# Allegro board LED_FIN.brd (continued)
## Nets (continued)
ROW_OUT_C11: D9901.3(ANODE) D9902.3(ANODE) D9903.3(ANODE) D9904.3(ANODE) D9905.3(ANODE) D9906.3(ANODE) D9907.3(ANODE) D9908.3(ANODE) D9909.3(ANODE) D9910.3(ANODE) D9911.3(ANODE) D9912.3(ANODE) D9913.3(ANODE) D9914.3(ANODE) D9915.3(ANODE) D9916.3(ANODE) D9917.3(ANODE) D9918.3(ANODE) D9919.3(ANODE) D9920.3(ANODE) D9921.3(ANODE) D9922.3(ANODE) D9923.3(ANODE) D9924.3(ANODE) D9925.3(ANODE) D9926.3(ANODE) D9927.3(ANODE) D9928.3(ANODE) D9929.3(ANODE) D9930.3(ANODE) D11041.3(ANODE) D11042.3(ANODE) D11043.3(ANODE) D11044.3(ANODE) D11045.3(ANODE) D11046.3(ANODE) D11047.3(ANODE) D11048.3(ANODE) D11049.3(ANODE) D11050.3(ANODE) D11051.3(ANODE) D11052.3(ANODE) D11053.3(ANODE) D11054.3(ANODE) D11055.3(ANODE) D11056.3(ANODE) D11057.3(ANODE) D11058.3(ANODE) D11059.3(ANODE) D11060.3(ANODE) D11061.3(ANODE) D11062.3(ANODE) D11063.3(ANODE) D11064.3(ANODE) D11065.3(ANODE) D11066.3(ANODE) D11067.3(ANODE) D11068.3(ANODE) D11069.3(ANODE) D11070.3(ANODE) D12181.3(ANODE) D12182.3(ANODE) D12183.3(ANODE) D12184.3(ANODE) D12185.3(ANODE) D12186.3(ANODE) D12187.3(ANODE) D12188.3(ANODE) D12189.3(ANODE) D12190.3(ANODE) D12191.3(ANODE) D12192.3(ANODE) D12193.3(ANODE) D12194.3(ANODE) D12195.3(ANODE) D12196.3(ANODE) D12197.3(ANODE) D12198.3(ANODE) D12199.3(ANODE) D12200.3(ANODE) D12201.3(ANODE) D12202.3(ANODE) D12203.3(ANODE) D12204.3(ANODE) D12205.3(ANODE) D12206.3(ANODE) D12207.3(ANODE) D12208.3(ANODE) D12209.3(ANODE) D12210.3(ANODE) D13321.3(ANODE) D13322.3(ANODE) D13323.3(ANODE) D13324.3(ANODE) D13325.3(ANODE) D13326.3(ANODE) D13327.3(ANODE) D13328.3(ANODE) D13329.3(ANODE) D13330.3(ANODE) D13331.3(ANODE) D13332.3(ANODE) D13333.3(ANODE) D13334.3(ANODE) D13335.3(ANODE) D13336.3(ANODE) D13337.3(ANODE) D13338.3(ANODE) D13339.3(ANODE) D13340.3(ANODE) D13341.3(ANODE) D13342.3(ANODE) D13343.3(ANODE) D13344.3(ANODE) D13345.3(ANODE) D13346.3(ANODE) D13347.3(ANODE) D13348.3(ANODE) D13349.3(ANODE) D13350.3(ANODE) U113.1(DRAIN)
ROW_OUT_C12: D9871.3(ANODE) D9872.3(ANODE) D9873.3(ANODE) D9874.3(ANODE) D9875.3(ANODE) D9876.3(ANODE) D9877.3(ANODE) D9878.3(ANODE) D9879.3(ANODE) D9880.3(ANODE) D9881.3(ANODE) D9882.3(ANODE) D9883.3(ANODE) D9884.3(ANODE) D9885.3(ANODE) D9886.3(ANODE) D9887.3(ANODE) D9888.3(ANODE) D9889.3(ANODE) D9890.3(ANODE) D9891.3(ANODE) D9892.3(ANODE) D9893.3(ANODE) D9894.3(ANODE) D9895.3(ANODE) D9896.3(ANODE) D9897.3(ANODE) D9898.3(ANODE) D9899.3(ANODE) D9900.3(ANODE) D11011.3(ANODE) D11012.3(ANODE) D11013.3(ANODE) D11014.3(ANODE) D11015.3(ANODE) D11016.3(ANODE) D11017.3(ANODE) D11018.3(ANODE) D11019.3(ANODE) D11020.3(ANODE) D11021.3(ANODE) D11022.3(ANODE) D11023.3(ANODE) D11024.3(ANODE) D11025.3(ANODE) D11026.3(ANODE) D11027.3(ANODE) D11028.3(ANODE) D11029.3(ANODE) D11030.3(ANODE) D11031.3(ANODE) D11032.3(ANODE) D11033.3(ANODE) D11034.3(ANODE) D11035.3(ANODE) D11036.3(ANODE) D11037.3(ANODE) D11038.3(ANODE) D11039.3(ANODE) D11040.3(ANODE) D12151.3(ANODE) D12152.3(ANODE) D12153.3(ANODE) D12154.3(ANODE) D12155.3(ANODE) D12156.3(ANODE) D12157.3(ANODE) D12158.3(ANODE) D12159.3(ANODE) D12160.3(ANODE) D12161.3(ANODE) D12162.3(ANODE) D12163.3(ANODE) D12164.3(ANODE) D12165.3(ANODE) D12166.3(ANODE) D12167.3(ANODE) D12168.3(ANODE) D12169.3(ANODE) D12170.3(ANODE) D12171.3(ANODE) D12172.3(ANODE) D12173.3(ANODE) D12174.3(ANODE) D12175.3(ANODE) D12176.3(ANODE) D12177.3(ANODE) D12178.3(ANODE) D12179.3(ANODE) D12180.3(ANODE) D13291.3(ANODE) D13292.3(ANODE) D13293.3(ANODE) D13294.3(ANODE) D13295.3(ANODE) D13296.3(ANODE) D13297.3(ANODE) D13298.3(ANODE) D13299.3(ANODE) D13300.3(ANODE) D13301.3(ANODE) D13302.3(ANODE) D13303.3(ANODE) D13304.3(ANODE) D13305.3(ANODE) D13306.3(ANODE) D13307.3(ANODE) D13308.3(ANODE) D13309.3(ANODE) D13310.3(ANODE) D13311.3(ANODE) D13312.3(ANODE) D13313.3(ANODE) D13314.3(ANODE) D13315.3(ANODE) D13316.3(ANODE) D13317.3(ANODE) D13318.3(ANODE) D13319.3(ANODE) D13320.3(ANODE) U112.1(DRAIN)
ROW_OUT_C13: D9841.3(ANODE) D9842.3(ANODE) D9843.3(ANODE) D9844.3(ANODE) D9845.3(ANODE) D9846.3(ANODE) D9847.3(ANODE) D9848.3(ANODE) D9849.3(ANODE) D9850.3(ANODE) D9851.3(ANODE) D9852.3(ANODE) D9853.3(ANODE) D9854.3(ANODE) D9855.3(ANODE) D9856.3(ANODE) D9857.3(ANODE) D9858.3(ANODE) D9859.3(ANODE) D9860.3(ANODE) D9861.3(ANODE) D9862.3(ANODE) D9863.3(ANODE) D9864.3(ANODE) D9865.3(ANODE) D9866.3(ANODE) D9867.3(ANODE) D9868.3(ANODE) D9869.3(ANODE) D9870.3(ANODE) D10981.3(ANODE) D10982.3(ANODE) D10983.3(ANODE) D10984.3(ANODE) D10985.3(ANODE) D10986.3(ANODE) D10987.3(ANODE) D10988.3(ANODE) D10989.3(ANODE) D10990.3(ANODE) D10991.3(ANODE) D10992.3(ANODE) D10993.3(ANODE) D10994.3(ANODE) D10995.3(ANODE) D10996.3(ANODE) D10997.3(ANODE) D10998.3(ANODE) D10999.3(ANODE) D11000.3(ANODE) D11001.3(ANODE) D11002.3(ANODE) D11003.3(ANODE) D11004.3(ANODE) D11005.3(ANODE) D11006.3(ANODE) D11007.3(ANODE) D11008.3(ANODE) D11009.3(ANODE) D11010.3(ANODE) D12121.3(ANODE) D12122.3(ANODE) D12123.3(ANODE) D12124.3(ANODE) D12125.3(ANODE) D12126.3(ANODE) D12127.3(ANODE) D12128.3(ANODE) D12129.3(ANODE) D12130.3(ANODE) D12131.3(ANODE) D12132.3(ANODE) D12133.3(ANODE) D12134.3(ANODE) D12135.3(ANODE) D12136.3(ANODE) D12137.3(ANODE) D12138.3(ANODE) D12139.3(ANODE) D12140.3(ANODE) D12141.3(ANODE) D12142.3(ANODE) D12143.3(ANODE) D12144.3(ANODE) D12145.3(ANODE) D12146.3(ANODE) D12147.3(ANODE) D12148.3(ANODE) D12149.3(ANODE) D12150.3(ANODE) D13261.3(ANODE) D13262.3(ANODE) D13263.3(ANODE) D13264.3(ANODE) D13265.3(ANODE) D13266.3(ANODE) D13267.3(ANODE) D13268.3(ANODE) D13269.3(ANODE) D13270.3(ANODE) D13271.3(ANODE) D13272.3(ANODE) D13273.3(ANODE) D13274.3(ANODE) D13275.3(ANODE) D13276.3(ANODE) D13277.3(ANODE) D13278.3(ANODE) D13279.3(ANODE) D13280.3(ANODE) D13281.3(ANODE) D13282.3(ANODE) D13283.3(ANODE) D13284.3(ANODE) D13285.3(ANODE) D13286.3(ANODE) D13287.3(ANODE) D13288.3(ANODE) D13289.3(ANODE) D13290.3(ANODE) U111.1(DRAIN)
ROW_OUT_C14: D9811.3(ANODE) D9812.3(ANODE) D9813.3(ANODE) D9814.3(ANODE) D9815.3(ANODE) D9816.3(ANODE) D9817.3(ANODE) D9818.3(ANODE) D9819.3(ANODE) D9820.3(ANODE) D9821.3(ANODE) D9822.3(ANODE) D9823.3(ANODE) D9824.3(ANODE) D9825.3(ANODE) D9826.3(ANODE) D9827.3(ANODE) D9828.3(ANODE) D9829.3(ANODE) D9830.3(ANODE) D9831.3(ANODE) D9832.3(ANODE) D9833.3(ANODE) D9834.3(ANODE) D9835.3(ANODE) D9836.3(ANODE) D9837.3(ANODE) D9838.3(ANODE) D9839.3(ANODE) D9840.3(ANODE) D10951.3(ANODE) D10952.3(ANODE) D10953.3(ANODE) D10954.3(ANODE) D10955.3(ANODE) D10956.3(ANODE) D10957.3(ANODE) D10958.3(ANODE) D10959.3(ANODE) D10960.3(ANODE) D10961.3(ANODE) D10962.3(ANODE) D10963.3(ANODE) D10964.3(ANODE) D10965.3(ANODE) D10966.3(ANODE) D10967.3(ANODE) D10968.3(ANODE) D10969.3(ANODE) D10970.3(ANODE) D10971.3(ANODE) D10972.3(ANODE) D10973.3(ANODE) D10974.3(ANODE) D10975.3(ANODE) D10976.3(ANODE) D10977.3(ANODE) D10978.3(ANODE) D10979.3(ANODE) D10980.3(ANODE) D12091.3(ANODE) D12092.3(ANODE) D12093.3(ANODE) D12094.3(ANODE) D12095.3(ANODE) D12096.3(ANODE) D12097.3(ANODE) D12098.3(ANODE) D12099.3(ANODE) D12100.3(ANODE) D12101.3(ANODE) D12102.3(ANODE) D12103.3(ANODE) D12104.3(ANODE) D12105.3(ANODE) D12106.3(ANODE) D12107.3(ANODE) D12108.3(ANODE) D12109.3(ANODE) D12110.3(ANODE) D12111.3(ANODE) D12112.3(ANODE) D12113.3(ANODE) D12114.3(ANODE) D12115.3(ANODE) D12116.3(ANODE) D12117.3(ANODE) D12118.3(ANODE) D12119.3(ANODE) D12120.3(ANODE) D13231.3(ANODE) D13232.3(ANODE) D13233.3(ANODE) D13234.3(ANODE) D13235.3(ANODE) D13236.3(ANODE) D13237.3(ANODE) D13238.3(ANODE) D13239.3(ANODE) D13240.3(ANODE) D13241.3(ANODE) D13242.3(ANODE) D13243.3(ANODE) D13244.3(ANODE) D13245.3(ANODE) D13246.3(ANODE) D13247.3(ANODE) D13248.3(ANODE) D13249.3(ANODE) D13250.3(ANODE) D13251.3(ANODE) D13252.3(ANODE) D13253.3(ANODE) D13254.3(ANODE) D13255.3(ANODE) D13256.3(ANODE) D13257.3(ANODE) D13258.3(ANODE) D13259.3(ANODE) D13260.3(ANODE) U110.1(DRAIN)
ROW_OUT_C15: D9781.3(ANODE) D9782.3(ANODE) D9783.3(ANODE) D9784.3(ANODE) D9785.3(ANODE) D9786.3(ANODE) D9787.3(ANODE) D9788.3(ANODE) D9789.3(ANODE) D9790.3(ANODE) D9791.3(ANODE) D9792.3(ANODE) D9793.3(ANODE) D9794.3(ANODE) D9795.3(ANODE) D9796.3(ANODE) D9797.3(ANODE) D9798.3(ANODE) D9799.3(ANODE) D9800.3(ANODE) D9801.3(ANODE) D9802.3(ANODE) D9803.3(ANODE) D9804.3(ANODE) D9805.3(ANODE) D9806.3(ANODE) D9807.3(ANODE) D9808.3(ANODE) D9809.3(ANODE) D9810.3(ANODE) D10921.3(ANODE) D10922.3(ANODE) D10923.3(ANODE) D10924.3(ANODE) D10925.3(ANODE) D10926.3(ANODE) D10927.3(ANODE) D10928.3(ANODE) D10929.3(ANODE) D10930.3(ANODE) D10931.3(ANODE) D10932.3(ANODE) D10933.3(ANODE) D10934.3(ANODE) D10935.3(ANODE) D10936.3(ANODE) D10937.3(ANODE) D10938.3(ANODE) D10939.3(ANODE) D10940.3(ANODE) D10941.3(ANODE) D10942.3(ANODE) D10943.3(ANODE) D10944.3(ANODE) D10945.3(ANODE) D10946.3(ANODE) D10947.3(ANODE) D10948.3(ANODE) D10949.3(ANODE) D10950.3(ANODE) D12061.3(ANODE) D12062.3(ANODE) D12063.3(ANODE) D12064.3(ANODE) D12065.3(ANODE) D12066.3(ANODE) D12067.3(ANODE) D12068.3(ANODE) D12069.3(ANODE) D12070.3(ANODE) D12071.3(ANODE) D12072.3(ANODE) D12073.3(ANODE) D12074.3(ANODE) D12075.3(ANODE) D12076.3(ANODE) D12077.3(ANODE) D12078.3(ANODE) D12079.3(ANODE) D12080.3(ANODE) D12081.3(ANODE) D12082.3(ANODE) D12083.3(ANODE) D12084.3(ANODE) D12085.3(ANODE) D12086.3(ANODE) D12087.3(ANODE) D12088.3(ANODE) D12089.3(ANODE) D12090.3(ANODE) D13201.3(ANODE) D13202.3(ANODE) D13203.3(ANODE) D13204.3(ANODE) D13205.3(ANODE) D13206.3(ANODE) D13207.3(ANODE) D13208.3(ANODE) D13209.3(ANODE) D13210.3(ANODE) D13211.3(ANODE) D13212.3(ANODE) D13213.3(ANODE) D13214.3(ANODE) D13215.3(ANODE) D13216.3(ANODE) D13217.3(ANODE) D13218.3(ANODE) D13219.3(ANODE) D13220.3(ANODE) D13221.3(ANODE) D13222.3(ANODE) D13223.3(ANODE) D13224.3(ANODE) D13225.3(ANODE) D13226.3(ANODE) D13227.3(ANODE) D13228.3(ANODE) D13229.3(ANODE) D13230.3(ANODE) U109.1(DRAIN)
ROW_OUT_C16: D9751.3(ANODE) D9752.3(ANODE) D9753.3(ANODE) D9754.3(ANODE) D9755.3(ANODE) D9756.3(ANODE) D9757.3(ANODE) D9758.3(ANODE) D9759.3(ANODE) D9760.3(ANODE) D9761.3(ANODE) D9762.3(ANODE) D9763.3(ANODE) D9764.3(ANODE) D9765.3(ANODE) D9766.3(ANODE) D9767.3(ANODE) D9768.3(ANODE) D9769.3(ANODE) D9770.3(ANODE) D9771.3(ANODE) D9772.3(ANODE) D9773.3(ANODE) D9774.3(ANODE) D9775.3(ANODE) D9776.3(ANODE) D9777.3(ANODE) D9778.3(ANODE) D9779.3(ANODE) D9780.3(ANODE) D10891.3(ANODE) D10892.3(ANODE) D10893.3(ANODE) D10894.3(ANODE) D10895.3(ANODE) D10896.3(ANODE) D10897.3(ANODE) D10898.3(ANODE) D10899.3(ANODE) D10900.3(ANODE) D10901.3(ANODE) D10902.3(ANODE) D10903.3(ANODE) D10904.3(ANODE) D10905.3(ANODE) D10906.3(ANODE) D10907.3(ANODE) D10908.3(ANODE) D10909.3(ANODE) D10910.3(ANODE) D10911.3(ANODE) D10912.3(ANODE) D10913.3(ANODE) D10914.3(ANODE) D10915.3(ANODE) D10916.3(ANODE) D10917.3(ANODE) D10918.3(ANODE) D10919.3(ANODE) D10920.3(ANODE) D12031.3(ANODE) D12032.3(ANODE) D12033.3(ANODE) D12034.3(ANODE) D12035.3(ANODE) D12036.3(ANODE) D12037.3(ANODE) D12038.3(ANODE) D12039.3(ANODE) D12040.3(ANODE) D12041.3(ANODE) D12042.3(ANODE) D12043.3(ANODE) D12044.3(ANODE) D12045.3(ANODE) D12046.3(ANODE) D12047.3(ANODE) D12048.3(ANODE) D12049.3(ANODE) D12050.3(ANODE) D12051.3(ANODE) D12052.3(ANODE) D12053.3(ANODE) D12054.3(ANODE) D12055.3(ANODE) D12056.3(ANODE) D12057.3(ANODE) D12058.3(ANODE) D12059.3(ANODE) D12060.3(ANODE) D13171.3(ANODE) D13172.3(ANODE) D13173.3(ANODE) D13174.3(ANODE) D13175.3(ANODE) D13176.3(ANODE) D13177.3(ANODE) D13178.3(ANODE) D13179.3(ANODE) D13180.3(ANODE) D13181.3(ANODE) D13182.3(ANODE) D13183.3(ANODE) D13184.3(ANODE) D13185.3(ANODE) D13186.3(ANODE) D13187.3(ANODE) D13188.3(ANODE) D13189.3(ANODE) D13190.3(ANODE) D13191.3(ANODE) D13192.3(ANODE) D13193.3(ANODE) D13194.3(ANODE) D13195.3(ANODE) D13196.3(ANODE) D13197.3(ANODE) D13198.3(ANODE) D13199.3(ANODE) D13200.3(ANODE) U108.1(DRAIN)
ROW_OUT_C17: D9721.3(ANODE) D9722.3(ANODE) D9723.3(ANODE) D9724.3(ANODE) D9725.3(ANODE) D9726.3(ANODE) D9727.3(ANODE) D9728.3(ANODE) D9729.3(ANODE) D9730.3(ANODE) D9731.3(ANODE) D9732.3(ANODE) D9733.3(ANODE) D9734.3(ANODE) D9735.3(ANODE) D9736.3(ANODE) D9737.3(ANODE) D9738.3(ANODE) D9739.3(ANODE) D9740.3(ANODE) D9741.3(ANODE) D9742.3(ANODE) D9743.3(ANODE) D9744.3(ANODE) D9745.3(ANODE) D9746.3(ANODE) D9747.3(ANODE) D9748.3(ANODE) D9749.3(ANODE) D9750.3(ANODE) D10861.3(ANODE) D10862.3(ANODE) D10863.3(ANODE) D10864.3(ANODE) D10865.3(ANODE) D10866.3(ANODE) D10867.3(ANODE) D10868.3(ANODE) D10869.3(ANODE) D10870.3(ANODE) D10871.3(ANODE) D10872.3(ANODE) D10873.3(ANODE) D10874.3(ANODE) D10875.3(ANODE) D10876.3(ANODE) D10877.3(ANODE) D10878.3(ANODE) D10879.3(ANODE) D10880.3(ANODE) D10881.3(ANODE) D10882.3(ANODE) D10883.3(ANODE) D10884.3(ANODE) D10885.3(ANODE) D10886.3(ANODE) D10887.3(ANODE) D10888.3(ANODE) D10889.3(ANODE) D10890.3(ANODE) D12001.3(ANODE) D12002.3(ANODE) D12003.3(ANODE) D12004.3(ANODE) D12005.3(ANODE) D12006.3(ANODE) D12007.3(ANODE) D12008.3(ANODE) D12009.3(ANODE) D12010.3(ANODE) D12011.3(ANODE) D12012.3(ANODE) D12013.3(ANODE) D12014.3(ANODE) D12015.3(ANODE) D12016.3(ANODE) D12017.3(ANODE) D12018.3(ANODE) D12019.3(ANODE) D12020.3(ANODE) D12021.3(ANODE) D12022.3(ANODE) D12023.3(ANODE) D12024.3(ANODE) D12025.3(ANODE) D12026.3(ANODE) D12027.3(ANODE) D12028.3(ANODE) D12029.3(ANODE) D12030.3(ANODE) D13141.3(ANODE) D13142.3(ANODE) D13143.3(ANODE) D13144.3(ANODE) D13145.3(ANODE) D13146.3(ANODE) D13147.3(ANODE) D13148.3(ANODE) D13149.3(ANODE) D13150.3(ANODE) D13151.3(ANODE) D13152.3(ANODE) D13153.3(ANODE) D13154.3(ANODE) D13155.3(ANODE) D13156.3(ANODE) D13157.3(ANODE) D13158.3(ANODE) D13159.3(ANODE) D13160.3(ANODE) D13161.3(ANODE) D13162.3(ANODE) D13163.3(ANODE) D13164.3(ANODE) D13165.3(ANODE) D13166.3(ANODE) D13167.3(ANODE) D13168.3(ANODE) D13169.3(ANODE) D13170.3(ANODE) U107.1(DRAIN)
ROW_OUT_C18: D9691.3(ANODE) D9692.3(ANODE) D9693.3(ANODE) D9694.3(ANODE) D9695.3(ANODE) D9696.3(ANODE) D9697.3(ANODE) D9698.3(ANODE) D9699.3(ANODE) D9700.3(ANODE) D9701.3(ANODE) D9702.3(ANODE) D9703.3(ANODE) D9704.3(ANODE) D9705.3(ANODE) D9706.3(ANODE) D9707.3(ANODE) D9708.3(ANODE) D9709.3(ANODE) D9710.3(ANODE) D9711.3(ANODE) D9712.3(ANODE) D9713.3(ANODE) D9714.3(ANODE) D9715.3(ANODE) D9716.3(ANODE) D9717.3(ANODE) D9718.3(ANODE) D9719.3(ANODE) D9720.3(ANODE) D10831.3(ANODE) D10832.3(ANODE) D10833.3(ANODE) D10834.3(ANODE) D10835.3(ANODE) D10836.3(ANODE) D10837.3(ANODE) D10838.3(ANODE) D10839.3(ANODE) D10840.3(ANODE) D10841.3(ANODE) D10842.3(ANODE) D10843.3(ANODE) D10844.3(ANODE) D10845.3(ANODE) D10846.3(ANODE) D10847.3(ANODE) D10848.3(ANODE) D10849.3(ANODE) D10850.3(ANODE) D10851.3(ANODE) D10852.3(ANODE) D10853.3(ANODE) D10854.3(ANODE) D10855.3(ANODE) D10856.3(ANODE) D10857.3(ANODE) D10858.3(ANODE) D10859.3(ANODE) D10860.3(ANODE) D11971.3(ANODE) D11972.3(ANODE) D11973.3(ANODE) D11974.3(ANODE) D11975.3(ANODE) D11976.3(ANODE) D11977.3(ANODE) D11978.3(ANODE) D11979.3(ANODE) D11980.3(ANODE) D11981.3(ANODE) D11982.3(ANODE) D11983.3(ANODE) D11984.3(ANODE) D11985.3(ANODE) D11986.3(ANODE) D11987.3(ANODE) D11988.3(ANODE) D11989.3(ANODE) D11990.3(ANODE) D11991.3(ANODE) D11992.3(ANODE) D11993.3(ANODE) D11994.3(ANODE) D11995.3(ANODE) D11996.3(ANODE) D11997.3(ANODE) D11998.3(ANODE) D11999.3(ANODE) D12000.3(ANODE) D13111.3(ANODE) D13112.3(ANODE) D13113.3(ANODE) D13114.3(ANODE) D13115.3(ANODE) D13116.3(ANODE) D13117.3(ANODE) D13118.3(ANODE) D13119.3(ANODE) D13120.3(ANODE) D13121.3(ANODE) D13122.3(ANODE) D13123.3(ANODE) D13124.3(ANODE) D13125.3(ANODE) D13126.3(ANODE) D13127.3(ANODE) D13128.3(ANODE) D13129.3(ANODE) D13130.3(ANODE) D13131.3(ANODE) D13132.3(ANODE) D13133.3(ANODE) D13134.3(ANODE) D13135.3(ANODE) D13136.3(ANODE) D13137.3(ANODE) D13138.3(ANODE) D13139.3(ANODE) D13140.3(ANODE) U106.1(DRAIN)
ROW_OUT_C19: D9661.3(ANODE) D9662.3(ANODE) D9663.3(ANODE) D9664.3(ANODE) D9665.3(ANODE) D9666.3(ANODE) D9667.3(ANODE) D9668.3(ANODE) D9669.3(ANODE) D9670.3(ANODE) D9671.3(ANODE) D9672.3(ANODE) D9673.3(ANODE) D9674.3(ANODE) D9675.3(ANODE) D9676.3(ANODE) D9677.3(ANODE) D9678.3(ANODE) D9679.3(ANODE) D9680.3(ANODE) D9681.3(ANODE) D9682.3(ANODE) D9683.3(ANODE) D9684.3(ANODE) D9685.3(ANODE) D9686.3(ANODE) D9687.3(ANODE) D9688.3(ANODE) D9689.3(ANODE) D9690.3(ANODE) D10801.3(ANODE) D10802.3(ANODE) D10803.3(ANODE) D10804.3(ANODE) D10805.3(ANODE) D10806.3(ANODE) D10807.3(ANODE) D10808.3(ANODE) D10809.3(ANODE) D10810.3(ANODE) D10811.3(ANODE) D10812.3(ANODE) D10813.3(ANODE) D10814.3(ANODE) D10815.3(ANODE) D10816.3(ANODE) D10817.3(ANODE) D10818.3(ANODE) D10819.3(ANODE) D10820.3(ANODE) D10821.3(ANODE) D10822.3(ANODE) D10823.3(ANODE) D10824.3(ANODE) D10825.3(ANODE) D10826.3(ANODE) D10827.3(ANODE) D10828.3(ANODE) D10829.3(ANODE) D10830.3(ANODE) D11941.3(ANODE) D11942.3(ANODE) D11943.3(ANODE) D11944.3(ANODE) D11945.3(ANODE) D11946.3(ANODE) D11947.3(ANODE) D11948.3(ANODE) D11949.3(ANODE) D11950.3(ANODE) D11951.3(ANODE) D11952.3(ANODE) D11953.3(ANODE) D11954.3(ANODE) D11955.3(ANODE) D11956.3(ANODE) D11957.3(ANODE) D11958.3(ANODE) D11959.3(ANODE) D11960.3(ANODE) D11961.3(ANODE) D11962.3(ANODE) D11963.3(ANODE) D11964.3(ANODE) D11965.3(ANODE) D11966.3(ANODE) D11967.3(ANODE) D11968.3(ANODE) D11969.3(ANODE) D11970.3(ANODE) D13081.3(ANODE) D13082.3(ANODE) D13083.3(ANODE) D13084.3(ANODE) D13085.3(ANODE) D13086.3(ANODE) D13087.3(ANODE) D13088.3(ANODE) D13089.3(ANODE) D13090.3(ANODE) D13091.3(ANODE) D13092.3(ANODE) D13093.3(ANODE) D13094.3(ANODE) D13095.3(ANODE) D13096.3(ANODE) D13097.3(ANODE) D13098.3(ANODE) D13099.3(ANODE) D13100.3(ANODE) D13101.3(ANODE) D13102.3(ANODE) D13103.3(ANODE) D13104.3(ANODE) D13105.3(ANODE) D13106.3(ANODE) D13107.3(ANODE) D13108.3(ANODE) D13109.3(ANODE) D13110.3(ANODE) U105.1(DRAIN)
ROW_OUT_C20: D9631.3(ANODE) D9632.3(ANODE) D9633.3(ANODE) D9634.3(ANODE) D9635.3(ANODE) D9636.3(ANODE) D9637.3(ANODE) D9638.3(ANODE) D9639.3(ANODE) D9640.3(ANODE) D9641.3(ANODE) D9642.3(ANODE) D9643.3(ANODE) D9644.3(ANODE) D9645.3(ANODE) D9646.3(ANODE) D9647.3(ANODE) D9648.3(ANODE) D9649.3(ANODE) D9650.3(ANODE) D9651.3(ANODE) D9652.3(ANODE) D9653.3(ANODE) D9654.3(ANODE) D9655.3(ANODE) D9656.3(ANODE) D9657.3(ANODE) D9658.3(ANODE) D9659.3(ANODE) D9660.3(ANODE) D10771.3(ANODE) D10772.3(ANODE) D10773.3(ANODE) D10774.3(ANODE) D10775.3(ANODE) D10776.3(ANODE) D10777.3(ANODE) D10778.3(ANODE) D10779.3(ANODE) D10780.3(ANODE) D10781.3(ANODE) D10782.3(ANODE) D10783.3(ANODE) D10784.3(ANODE) D10785.3(ANODE) D10786.3(ANODE) D10787.3(ANODE) D10788.3(ANODE) D10789.3(ANODE) D10790.3(ANODE) D10791.3(ANODE) D10792.3(ANODE) D10793.3(ANODE) D10794.3(ANODE) D10795.3(ANODE) D10796.3(ANODE) D10797.3(ANODE) D10798.3(ANODE) D10799.3(ANODE) D10800.3(ANODE) D11911.3(ANODE) D11912.3(ANODE) D11913.3(ANODE) D11914.3(ANODE) D11915.3(ANODE) D11916.3(ANODE) D11917.3(ANODE) D11918.3(ANODE) D11919.3(ANODE) D11920.3(ANODE) D11921.3(ANODE) D11922.3(ANODE) D11923.3(ANODE) D11924.3(ANODE) D11925.3(ANODE) D11926.3(ANODE) D11927.3(ANODE) D11928.3(ANODE) D11929.3(ANODE) D11930.3(ANODE) D11931.3(ANODE) D11932.3(ANODE) D11933.3(ANODE) D11934.3(ANODE) D11935.3(ANODE) D11936.3(ANODE) D11937.3(ANODE) D11938.3(ANODE) D11939.3(ANODE) D11940.3(ANODE) D13051.3(ANODE) D13052.3(ANODE) D13053.3(ANODE) D13054.3(ANODE) D13055.3(ANODE) D13056.3(ANODE) D13057.3(ANODE) D13058.3(ANODE) D13059.3(ANODE) D13060.3(ANODE) D13061.3(ANODE) D13062.3(ANODE) D13063.3(ANODE) D13064.3(ANODE) D13065.3(ANODE) D13066.3(ANODE) D13067.3(ANODE) D13068.3(ANODE) D13069.3(ANODE) D13070.3(ANODE) D13071.3(ANODE) D13072.3(ANODE) D13073.3(ANODE) D13074.3(ANODE) D13075.3(ANODE) D13076.3(ANODE) D13077.3(ANODE) D13078.3(ANODE) D13079.3(ANODE) D13080.3(ANODE) U104.1(DRAIN)
ROW_OUT_C21: D9601.3(ANODE) D9602.3(ANODE) D9603.3(ANODE) D9604.3(ANODE) D9605.3(ANODE) D9606.3(ANODE) D9607.3(ANODE) D9608.3(ANODE) D9609.3(ANODE) D9610.3(ANODE) D9611.3(ANODE) D9612.3(ANODE) D9613.3(ANODE) D9614.3(ANODE) D9615.3(ANODE) D9616.3(ANODE) D9617.3(ANODE) D9618.3(ANODE) D9619.3(ANODE) D9620.3(ANODE) D9621.3(ANODE) D9622.3(ANODE) D9623.3(ANODE) D9624.3(ANODE) D9625.3(ANODE) D9626.3(ANODE) D9627.3(ANODE) D9628.3(ANODE) D9629.3(ANODE) D9630.3(ANODE) D10741.3(ANODE) D10742.3(ANODE) D10743.3(ANODE) D10744.3(ANODE) D10745.3(ANODE) D10746.3(ANODE) D10747.3(ANODE) D10748.3(ANODE) D10749.3(ANODE) D10750.3(ANODE) D10751.3(ANODE) D10752.3(ANODE) D10753.3(ANODE) D10754.3(ANODE) D10755.3(ANODE) D10756.3(ANODE) D10757.3(ANODE) D10758.3(ANODE) D10759.3(ANODE) D10760.3(ANODE) D10761.3(ANODE) D10762.3(ANODE) D10763.3(ANODE) D10764.3(ANODE) D10765.3(ANODE) D10766.3(ANODE) D10767.3(ANODE) D10768.3(ANODE) D10769.3(ANODE) D10770.3(ANODE) D11881.3(ANODE) D11882.3(ANODE) D11883.3(ANODE) D11884.3(ANODE) D11885.3(ANODE) D11886.3(ANODE) D11887.3(ANODE) D11888.3(ANODE) D11889.3(ANODE) D11890.3(ANODE) D11891.3(ANODE) D11892.3(ANODE) D11893.3(ANODE) D11894.3(ANODE) D11895.3(ANODE) D11896.3(ANODE) D11897.3(ANODE) D11898.3(ANODE) D11899.3(ANODE) D11900.3(ANODE) D11901.3(ANODE) D11902.3(ANODE) D11903.3(ANODE) D11904.3(ANODE) D11905.3(ANODE) D11906.3(ANODE) D11907.3(ANODE) D11908.3(ANODE) D11909.3(ANODE) D11910.3(ANODE) D13021.3(ANODE) D13022.3(ANODE) D13023.3(ANODE) D13024.3(ANODE) D13025.3(ANODE) D13026.3(ANODE) D13027.3(ANODE) D13028.3(ANODE) D13029.3(ANODE) D13030.3(ANODE) D13031.3(ANODE) D13032.3(ANODE) D13033.3(ANODE) D13034.3(ANODE) D13035.3(ANODE) D13036.3(ANODE) D13037.3(ANODE) D13038.3(ANODE) D13039.3(ANODE) D13040.3(ANODE) D13041.3(ANODE) D13042.3(ANODE) D13043.3(ANODE) D13044.3(ANODE) D13045.3(ANODE) D13046.3(ANODE) D13047.3(ANODE) D13048.3(ANODE) D13049.3(ANODE) D13050.3(ANODE) U103.1(DRAIN)
ROW_OUT_C22: D9571.3(ANODE) D9572.3(ANODE) D9573.3(ANODE) D9574.3(ANODE) D9575.3(ANODE) D9576.3(ANODE) D9577.3(ANODE) D9578.3(ANODE) D9579.3(ANODE) D9580.3(ANODE) D9581.3(ANODE) D9582.3(ANODE) D9583.3(ANODE) D9584.3(ANODE) D9585.3(ANODE) D9586.3(ANODE) D9587.3(ANODE) D9588.3(ANODE) D9589.3(ANODE) D9590.3(ANODE) D9591.3(ANODE) D9592.3(ANODE) D9593.3(ANODE) D9594.3(ANODE) D9595.3(ANODE) D9596.3(ANODE) D9597.3(ANODE) D9598.3(ANODE) D9599.3(ANODE) D9600.3(ANODE) D10711.3(ANODE) D10712.3(ANODE) D10713.3(ANODE) D10714.3(ANODE) D10715.3(ANODE) D10716.3(ANODE) D10717.3(ANODE) D10718.3(ANODE) D10719.3(ANODE) D10720.3(ANODE) D10721.3(ANODE) D10722.3(ANODE) D10723.3(ANODE) D10724.3(ANODE) D10725.3(ANODE) D10726.3(ANODE) D10727.3(ANODE) D10728.3(ANODE) D10729.3(ANODE) D10730.3(ANODE) D10731.3(ANODE) D10732.3(ANODE) D10733.3(ANODE) D10734.3(ANODE) D10735.3(ANODE) D10736.3(ANODE) D10737.3(ANODE) D10738.3(ANODE) D10739.3(ANODE) D10740.3(ANODE) D11851.3(ANODE) D11852.3(ANODE) D11853.3(ANODE) D11854.3(ANODE) D11855.3(ANODE) D11856.3(ANODE) D11857.3(ANODE) D11858.3(ANODE) D11859.3(ANODE) D11860.3(ANODE) D11861.3(ANODE) D11862.3(ANODE) D11863.3(ANODE) D11864.3(ANODE) D11865.3(ANODE) D11866.3(ANODE) D11867.3(ANODE) D11868.3(ANODE) D11869.3(ANODE) D11870.3(ANODE) D11871.3(ANODE) D11872.3(ANODE) D11873.3(ANODE) D11874.3(ANODE) D11875.3(ANODE) D11876.3(ANODE) D11877.3(ANODE) D11878.3(ANODE) D11879.3(ANODE) D11880.3(ANODE) D12991.3(ANODE) D12992.3(ANODE) D12993.3(ANODE) D12994.3(ANODE) D12995.3(ANODE) D12996.3(ANODE) D12997.3(ANODE) D12998.3(ANODE) D12999.3(ANODE) D13000.3(ANODE) D13001.3(ANODE) D13002.3(ANODE) D13003.3(ANODE) D13004.3(ANODE) D13005.3(ANODE) D13006.3(ANODE) D13007.3(ANODE) D13008.3(ANODE) D13009.3(ANODE) D13010.3(ANODE) D13011.3(ANODE) D13012.3(ANODE) D13013.3(ANODE) D13014.3(ANODE) D13015.3(ANODE) D13016.3(ANODE) D13017.3(ANODE) D13018.3(ANODE) D13019.3(ANODE) D13020.3(ANODE) U102.1(DRAIN)
ROW_OUT_C23: D9541.3(ANODE) D9542.3(ANODE) D9543.3(ANODE) D9544.3(ANODE) D9545.3(ANODE) D9546.3(ANODE) D9547.3(ANODE) D9548.3(ANODE) D9549.3(ANODE) D9550.3(ANODE) D9551.3(ANODE) D9552.3(ANODE) D9553.3(ANODE) D9554.3(ANODE) D9555.3(ANODE) D9556.3(ANODE) D9557.3(ANODE) D9558.3(ANODE) D9559.3(ANODE) D9560.3(ANODE) D9561.3(ANODE) D9562.3(ANODE) D9563.3(ANODE) D9564.3(ANODE) D9565.3(ANODE) D9566.3(ANODE) D9567.3(ANODE) D9568.3(ANODE) D9569.3(ANODE) D9570.3(ANODE) D10681.3(ANODE) D10682.3(ANODE) D10683.3(ANODE) D10684.3(ANODE) D10685.3(ANODE) D10686.3(ANODE) D10687.3(ANODE) D10688.3(ANODE) D10689.3(ANODE) D10690.3(ANODE) D10691.3(ANODE) D10692.3(ANODE) D10693.3(ANODE) D10694.3(ANODE) D10695.3(ANODE) D10696.3(ANODE) D10697.3(ANODE) D10698.3(ANODE) D10699.3(ANODE) D10700.3(ANODE) D10701.3(ANODE) D10702.3(ANODE) D10703.3(ANODE) D10704.3(ANODE) D10705.3(ANODE) D10706.3(ANODE) D10707.3(ANODE) D10708.3(ANODE) D10709.3(ANODE) D10710.3(ANODE) D11821.3(ANODE) D11822.3(ANODE) D11823.3(ANODE) D11824.3(ANODE) D11825.3(ANODE) D11826.3(ANODE) D11827.3(ANODE) D11828.3(ANODE) D11829.3(ANODE) D11830.3(ANODE) D11831.3(ANODE) D11832.3(ANODE) D11833.3(ANODE) D11834.3(ANODE) D11835.3(ANODE) D11836.3(ANODE) D11837.3(ANODE) D11838.3(ANODE) D11839.3(ANODE) D11840.3(ANODE) D11841.3(ANODE) D11842.3(ANODE) D11843.3(ANODE) D11844.3(ANODE) D11845.3(ANODE) D11846.3(ANODE) D11847.3(ANODE) D11848.3(ANODE) D11849.3(ANODE) D11850.3(ANODE) D12961.3(ANODE) D12962.3(ANODE) D12963.3(ANODE) D12964.3(ANODE) D12965.3(ANODE) D12966.3(ANODE) D12967.3(ANODE) D12968.3(ANODE) D12969.3(ANODE) D12970.3(ANODE) D12971.3(ANODE) D12972.3(ANODE) D12973.3(ANODE) D12974.3(ANODE) D12975.3(ANODE) D12976.3(ANODE) D12977.3(ANODE) D12978.3(ANODE) D12979.3(ANODE) D12980.3(ANODE) D12981.3(ANODE) D12982.3(ANODE) D12983.3(ANODE) D12984.3(ANODE) D12985.3(ANODE) D12986.3(ANODE) D12987.3(ANODE) D12988.3(ANODE) D12989.3(ANODE) D12990.3(ANODE) U101.1(DRAIN)